# Altium PCB PCBV1.PcbDoc (part 1 of 3)
Units mil, origin at the board's own origin, x right, y up, seen from the top; angles counter-clockwise.
Board outline 2559.06 x 3267.72 mil, 4 copper layers (SIGNAL1, GND, PWR, SIGNAL2), stack 62.449 mil thick; 118 components, 101 nets, 494 pads, 222 vias.
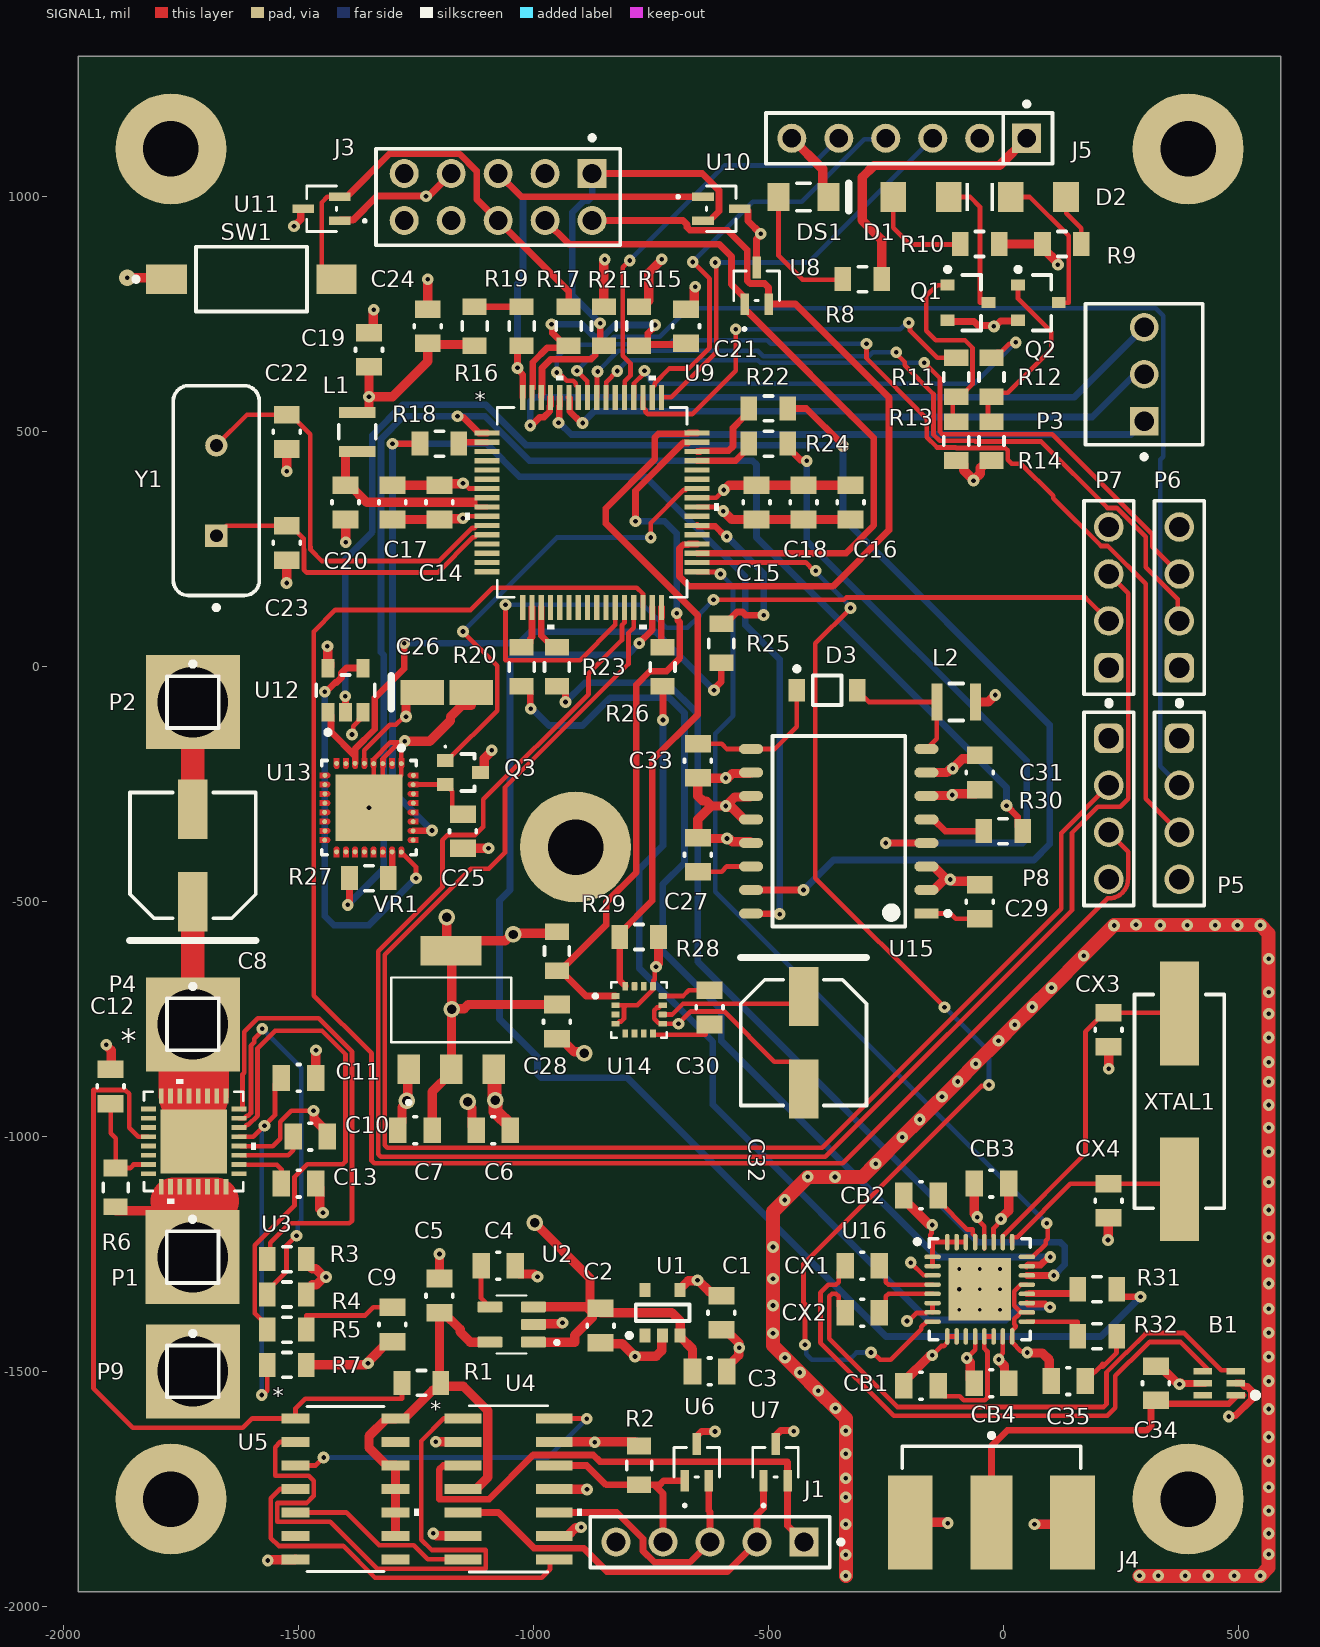
[diagram p0: SIGNAL1 view]
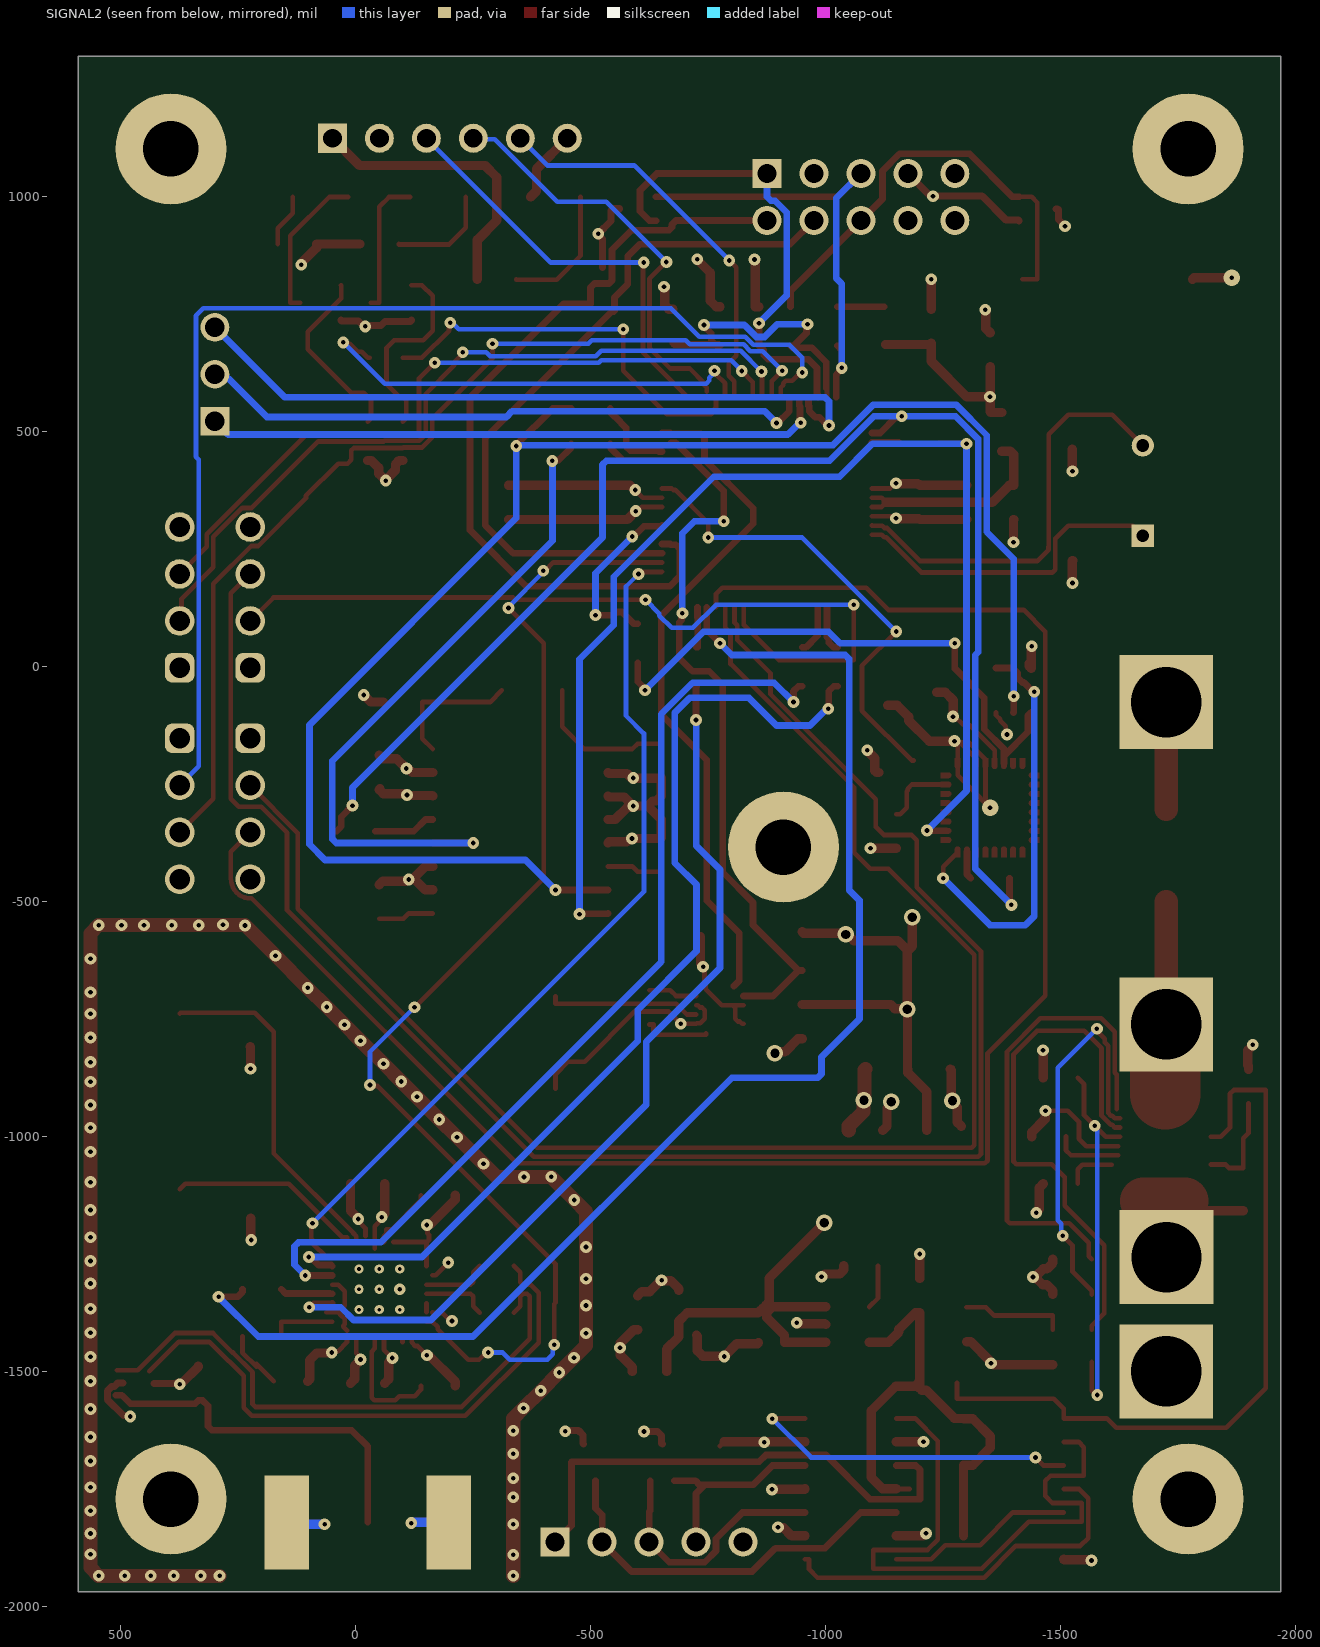
[diagram p1: SIGNAL2 view, seen from below]
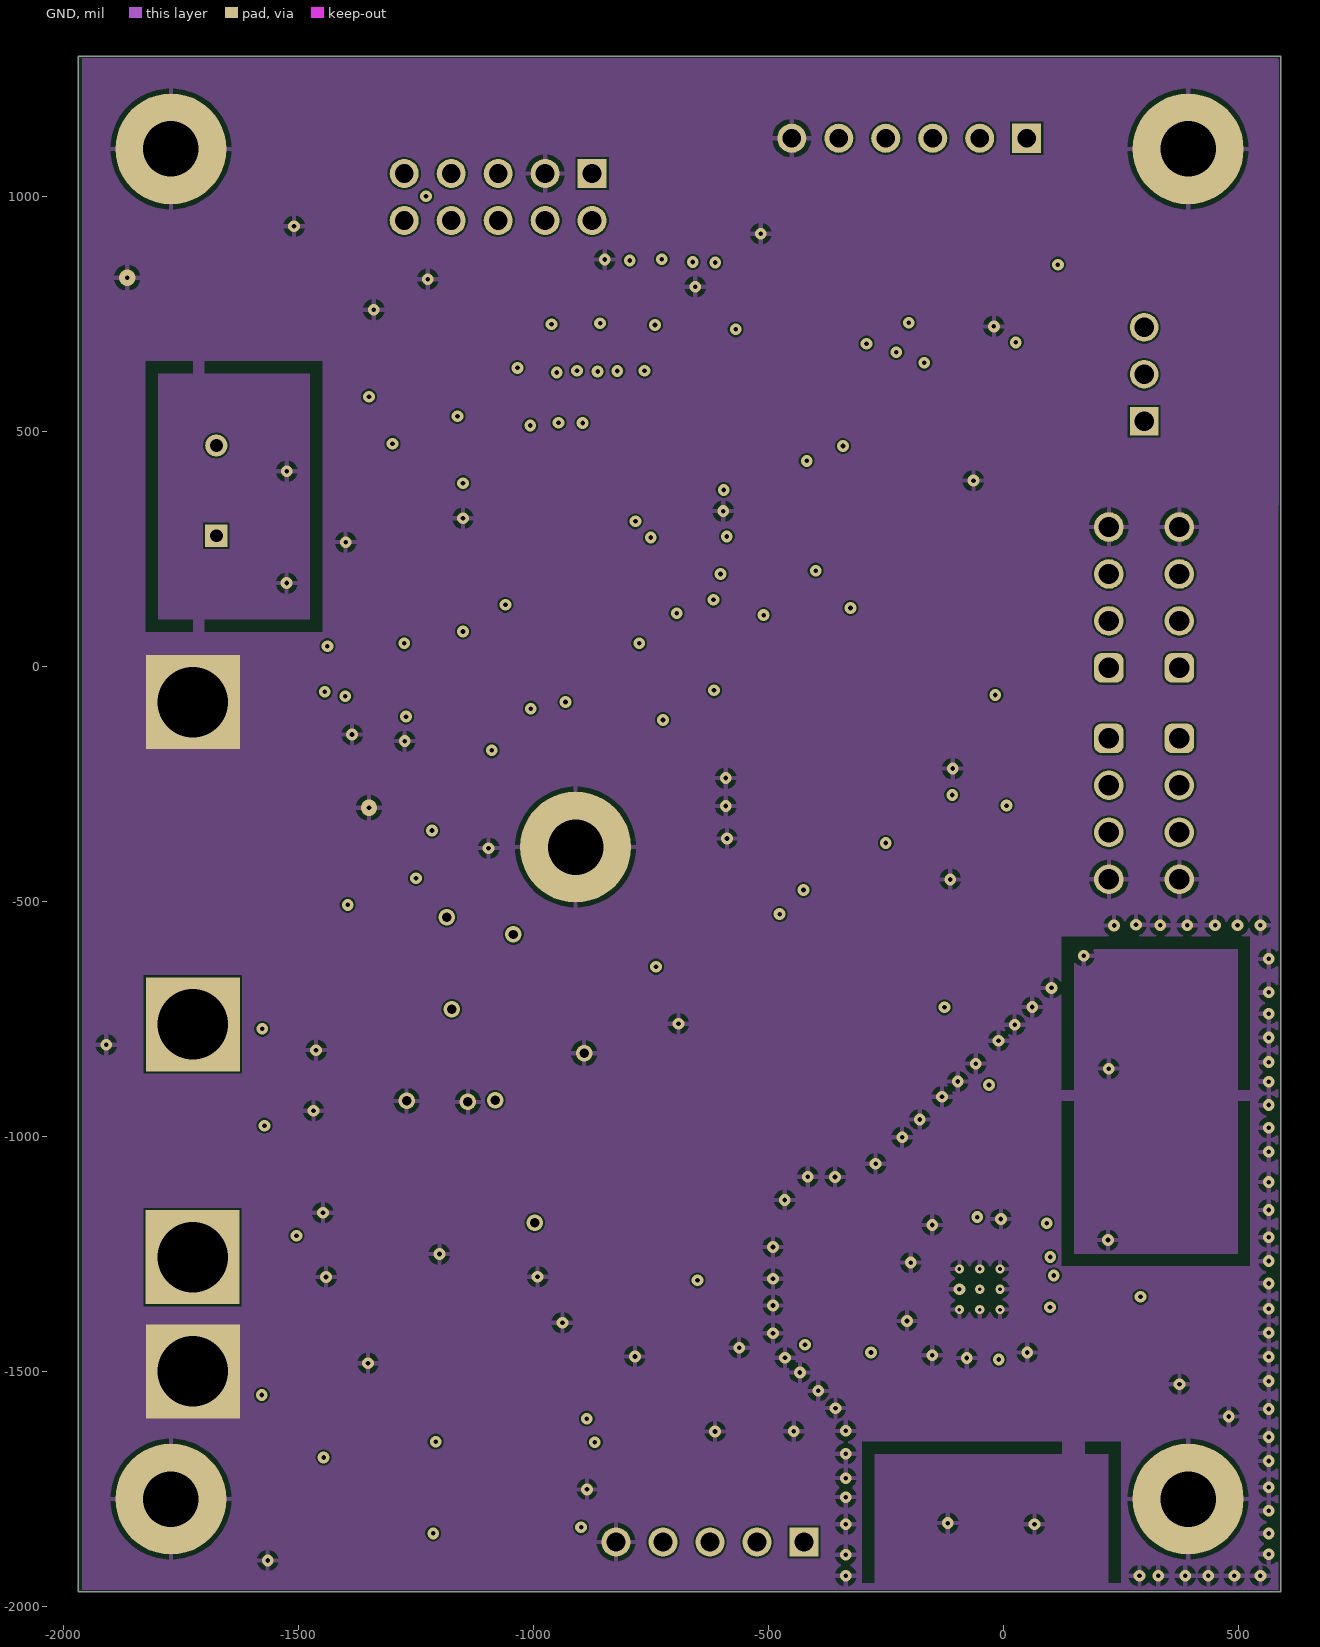
[diagram p2: GND]
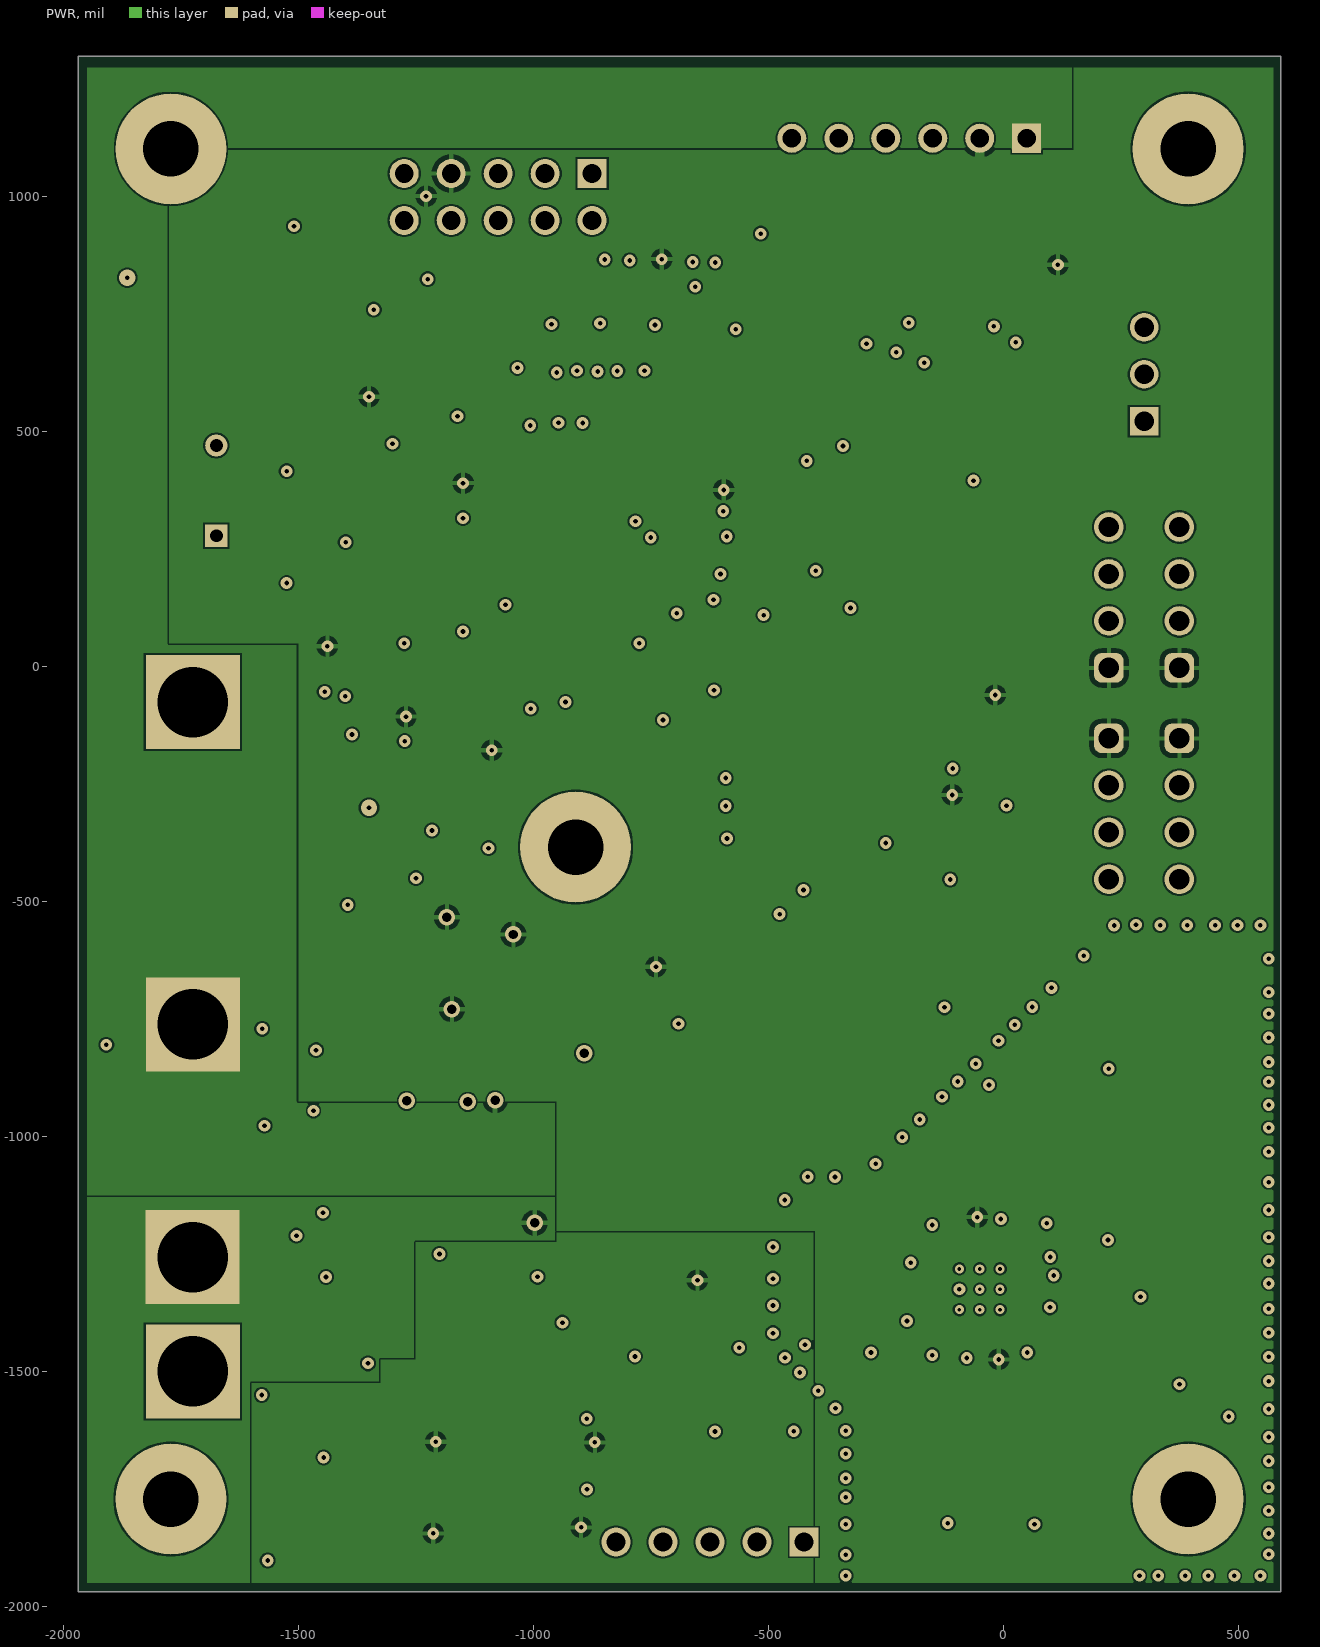
[diagram p3: PWR]
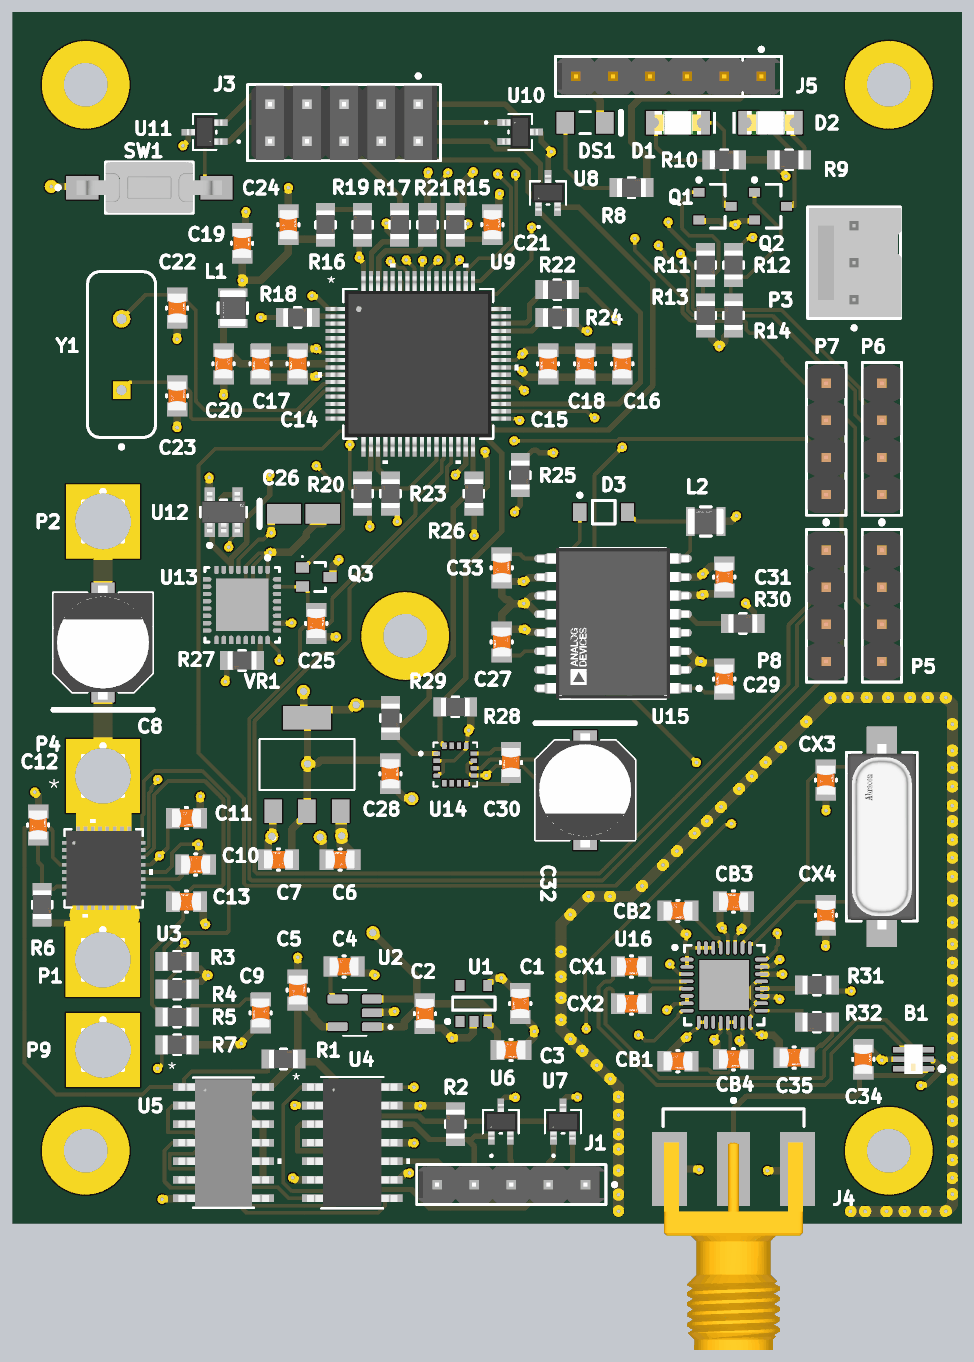
[diagram p6: 3D render of the assembled board from above, using the file's embedded part models]

## Layer stack, top to bottom
Top Solder: solder mask 0.4, Solder Resist, Dk 3.5
SIGNAL1: signal copper 1.378
Dielectric 2: prepreg 8.284, PP-023, Dk 4.5
GND: signal copper 0.598
Dielectric 1: dielectric 41.929, FR-4, Dk 4.8
PWR: signal copper 0.598
Dielectric 3: prepreg 8.284, PP-023, Dk 4.5
SIGNAL2: signal copper 1.378
Bottom Solder: solder mask 0.4, Solder Resist, Dk 3.5

## Board outline
-1968.5,-1968.5 -1968.5,1299.21 590.55,1299.21 590.55,-1968.5

## Design rules (kind name [scope] priority, off if disabled: settings)
AssemblyTestPointUsage [All] p1: isadvanced=TRUE
AssemblyTestpoint [All] p1: isadvanced=TRUE testpointundercomponent=TRUE minsize=40 maxsize=100 preferedsize=60 minholesize=0 maxholesize=40 preferedholesize=32 testpointgrid=1 usegrid=TRUE gridtolerance=0.01 allowsidetop=TRUE allowsidebottom=TRUE
Clearance Clearance_1 [(ExistsOnLayer('GND') Or ExistsOnLayer('PWR')) vs (ExistsOnLayer('GND') Or ExistsOnLayer('PWR'))] p1: gap=4 ignorepadtopadclearanceinfootprint=FALSE except(5: Arc-Via Track-Via SMDPad-Via THPad-Via Via-Via Via-Text; 10: Arc-Hole Track-Hole SMDPad-Hole THPad-Hole Via-Hole Fill-Hole Poly-Hole Region-Hole Text-Hole) sourcerule=114 cellrowname=All cellrowtype=0 cellcolname=All cellcoltype=0 innerlayers=TRUE
Clearance Clearance_2 [(ExistsOnLayer('SIGNAL1') Or ExistsOnLayer('SIGNAL2')) vs (ExistsOnLayer('SIGNAL1') Or ExistsOnLayer('SIGNAL2'))] p2: gap=4 ignorepadtopadclearanceinfootprint=FALSE except(5: Arc-Via Track-Via SMDPad-Via THPad-Via Via-Via Via-Text; 10: Arc-Hole Track-Hole SMDPad-Hole THPad-Hole Via-Hole Fill-Hole Poly-Hole Region-Hole Text-Hole) sourcerule=114 cellrowname=All cellrowtype=0 cellcolname=All cellcoltype=0 outerlayers=TRUE
Clearance [All] p3: gap=10 ignorepadtopadclearanceinfootprint=FALSE ismatrix=TRUE
ComponentClearance [All] p1: isadvanced=TRUE gap=10 collisioncheckmode=3 verticalgap=10 showdistances=FALSE
DiffPairsRouting DifferentialPairsRouting_1 [InDifferentialPairClass('All Differential Pairs')] p1: maxlimit=10 minlimit=8.91 mostfreqgap=10 toplayer_maxgap=8.91 toplayer_prefgap=8.91 toplayer_minwidth=10 toplayer_maxwidth=10 toplayer_prefwidth=10 bottomlayer_maxgap=8.91 bottomlayer_prefgap=8.91 bottomlayer_minwidth=10 bottomlayer_maxwidth=10 bottomlayer_prefwidth=10 impedanceprofiledriven=TRUE impedanceprofileid={A73C127E-F9CA-43C4-AA9D-8A24690832F0} impedanceprofilevalue=100.000000 maxuncoupledlength=500
DiffPairsRouting [All] p2 off: maxlimit=10 minlimit=10 mostfreqgap=10 toplayer_minwidth=15 toplayer_maxwidth=15 toplayer_prefwidth=15 midlayer1_minwidth=15 midlayer1_maxwidth=15 midlayer1_prefwidth=15 midlayer2_minwidth=15 midlayer2_maxwidth=15 midlayer2_prefwidth=15 bottomlayer_minwidth=15 bottomlayer_maxwidth=15 bottomlayer_prefwidth=15 maxuncoupledlength=500
FabricationTestPointUsage [All] p1: isadvanced=TRUE valid=0 allowmultiple=FALSE
FabricationTestpoint [All] p1: isadvanced=TRUE side=3 testpointundercomponent=TRUE minsize=40 maxsize=100 preferedsize=60 minholesize=0 maxholesize=40 preferedholesize=32 testpointgrid=1 allowsidetop=TRUE allowsidebottom=TRUE usegrid=TRUE gridtolerance=0.01
FanoutControl Fanout_BGA [IsBGA] p1: isadvanced=TRUE bgadir=Out bgaviamode=Centered fanoutstyle=Auto fanoutdirection=Alternating viagrid=1 // Fanout_BGA (Default Rule)
FanoutControl Fanout_LCC [IsLCC] p2: isadvanced=TRUE bgadir=Out bgaviamode=Centered fanoutstyle=Auto fanoutdirection=Alternating viagrid=1 // Fanout_LCC (Default Rule)
FanoutControl Fanout_SOIC [IsSOIC] p3: isadvanced=TRUE bgadir=Out bgaviamode=Centered fanoutstyle=Auto fanoutdirection=Alternating viagrid=1 // Fanout_SOIC (Default Rule)
FanoutControl Fanout_Small [(CompPinCount < 5)] p4: isadvanced=TRUE bgadir=Out bgaviamode=Centered fanoutstyle=Auto fanoutdirection=OutThenIn viagrid=1 // Fanout_Small (Default Rule)
FanoutControl Fanout_Default [All] p5: isadvanced=TRUE bgadir=Out bgaviamode=Centered fanoutstyle=Auto fanoutdirection=Alternating viagrid=1 // Fanout_Default (Default Rule)
Height [All] p1: isadvanced=TRUE minheight=0 maxheight=1000 prefheight=500
HoleSize [All] p1: isadvanced=TRUE absolutevalues=TRUE maxlimit=100 minlimit=1 maxpercent=80.000 minpercent=20.000
HoleToHoleClearance [All] p1: isadvanced=TRUE gap=10 allowstackedmicrovias=TRUE
LayerPairs [All] p1: isadvanced=TRUE enforce=TRUE
Length MaxMinLength_1 [InNet('I2C_HREQ')] p1: maxlimit=100000 minlimit=0
MaxMinImpedance MaxMinImpedance_1 [InNet('I2C_HREQ')] p1: minimum=50.00 maximum=50.00
MaxMinImpedance MaxMinImpedance_2 [InNet('I2C_SCL')] p2: minimum=50.00 maximum=50.00
MaxMinImpedance MaxMinImpedance_3 [InNet('I2C_SDA')] p3: minimum=50.00 maximum=50.00
MaxMinImpedance MaxMinImpedance_4 [InNet('I2C_SCL_MAG')] p4: minimum=50.00 maximum=50.00
MaxMinImpedance MaxMinImpedance_5 [InNet('I2C_SDA_MAG')] p5: minimum=50.00 maximum=50.00
MaxMinImpedance MaxMinImpedance_6 [InNet('MISO_2')] p6: minimum=50.00 maximum=50.00
MaxMinImpedance MaxMinImpedance_7 [InNet('MISO_RF')] p7: minimum=50.00 maximum=50.00
MaxMinImpedance MaxMinImpedance_8 [InNet('MOSI_2')] p8: minimum=50.00 maximum=50.00
MaxMinImpedance MaxMinImpedance_9 [InNet('MOSI_RF')] p9: minimum=50.00 maximum=50.00
MaxMinImpedance MaxMinImpedance_10 [InNet('SCLK_2')] p10: minimum=50.00 maximum=50.00
MaxMinImpedance MaxMinImpedance_11 [InNet('SCLK_RF')] p11: minimum=50.00 maximum=50.00
MaxMinImpedance MaxMinImpedance_12 [InNet('SEL3')] p12: minimum=50.00 maximum=50.00
MaxMinImpedance MaxMinImpedance_13 [InNet('SEL_RF')] p13: minimum=50.00 maximum=50.00
MaxMinImpedance MaxMinImpedance_14 [InNet('SWD_CLK')] p14: minimum=50.00 maximum=50.00
MaxMinImpedance MaxMinImpedance_15 [InNet('SWD_DIO')] p15: minimum=50.00 maximum=50.00
MaxMinImpedance MaxMinImpedance_16 [InNet('UART_RX')] p16: minimum=50.00 maximum=50.00
MaxMinImpedance MaxMinImpedance_17 [InNet('UART_TX')] p17: minimum=50.00 maximum=50.00
MaxMinImpedance MaxMinImpedance_18 [InNet('BALLUN_100')] p18: minimum=100.0 maximum=100.0
MaxMinImpedance MaxMinImpedance_19 [InNet('RF_N')] p19: minimum=50.00 maximum=50.00
MaxMinImpedance MaxMinImpedance_20 [InNet('RF_P')] p20: minimum=50.00 maximum=50.00
MaxMinImpedance MaxMinImpedance_21 [InNet('SEL2')] p21: minimum=50.00 maximum=50.00
MinimumSolderMaskSliver [All] p1: isadvanced=TRUE minsoldermaskwidth=10
NetAntennae [All] p1: isadvanced=TRUE netantennaetolerance=0
PasteMaskExpansion [All] p1: isadvanced=TRUE expansion=0
PlaneClearance [All] p1: isadvanced=TRUE clearance=30
PlaneConnect [All] p1: isadvanced=TRUE planeconnectstyle=Relief reliefexpansion=20 reliefentries=4 reliefconductorwidth=10 reliefairgap=10
PolygonConnect [All] p1: connectstyle=Relief reliefconductorwidth=10 reliefentries=4 polygonreliefangle="90 Angle" airgapwidth=10
RoutingCorners [All] p1: isadvanced=TRUE cornerstyle=45-Degree minsetback=100 maxsetback=100
RoutingLayers RoutingLayers_1 [InNet('+3V3')] p1: top layer_v5=FALSE mid layer 1_v5=FALSE mid layer 2_v5=FALSE bottom layer_v5=FALSE
RoutingLayers RoutingLayers_2 [InNet('+3V3_REF')] p2: top layer_v5=FALSE mid layer 1_v5=FALSE mid layer 2_v5=FALSE bottom layer_v5=FALSE
RoutingLayers RoutingLayers_3 [InNet('+3V3_A')] p3: top layer_v5=FALSE mid layer 1_v5=FALSE mid layer 2_v5=FALSE bottom layer_v5=FALSE
RoutingLayers RoutingLayers_4 [InNet('+5')] p4: top layer_v5=FALSE mid layer 1_v5=FALSE mid layer 2_v5=FALSE bottom layer_v5=FALSE
RoutingLayers RoutingLayers_5 [InNet('+12')] p5: top layer_v5=FALSE mid layer 1_v5=FALSE mid layer 2_v5=FALSE bottom layer_v5=FALSE
RoutingLayers RoutingLayers_6 [InNet('+12_PROT')] p6: top layer_v5=FALSE mid layer 1_v5=FALSE mid layer 2_v5=FALSE bottom layer_v5=FALSE
RoutingLayers RoutingLayers_7 [InNet('GND')] p7: top layer_v5=FALSE mid layer 1_v5=FALSE mid layer 2_v5=FALSE bottom layer_v5=FALSE
RoutingLayers [All] p8: top layer_v5=TRUE mid layer 1_v5=FALSE mid layer 2_v5=FALSE bottom layer_v5=TRUE
RoutingPriority [All] p1: isadvanced=TRUE routingpriority=0
RoutingTopology RoutingTopology_1 [InNet('I2C_HREQ')] p1: topology=Shortest
RoutingTopology [All] p2: topology=Shortest
RoutingVias RoutingViaStyle_8 [All] p1: isadvanced=TRUE holewidth=10 width=25 viastyle="Through Hole" minholewidth=10 minwidth=20 maxholewidth=30 maxwidth=40
RoutingVias [All] p2 off: holewidth=10 width=25 viastyle="Through Hole" minholewidth=10 minwidth=25 maxholewidth=10 maxwidth=25
SMDNeckDown [All  -  U3] p1: isadvanced=TRUE percent=100.000
ShortCircuit [All] p1: isadvanced=TRUE allowed=FALSE
SilkToSilkClearance [All] p1: isadvanced=TRUE silktosilkclearance=10
SilkToSolderMaskClearance [IsPad] p1: isadvanced=TRUE minsilkscreentomaskgap=10 clearancetoexposedcopper=TRUE
SolderMaskExpansion [All] p1: isadvanced=TRUE expansion=4 istentingtop=FALSE
SupplyNets "Schematic Supply Nets_4" [InNet('+5')] p1: isadvanced=TRUE voltage=5.000
SupplyNets "Schematic Supply Nets_7" [InNet('+3V3_A')] p2: isadvanced=TRUE voltage=3.300
SupplyNets "Schematic Supply Nets_5" [InNet('+12')] p3: isadvanced=TRUE voltage=12.00
SupplyNets "Schematic Supply Nets_3" [InNet('GND')] p4: isadvanced=TRUE voltage=0.000
SupplyNets "Schematic Supply Nets_2" [InNet('+3V3_REF')] p5: isadvanced=TRUE voltage=3.300
SupplyNets "Schematic Supply Nets_1" [InNet('+3V3')] p6: isadvanced=TRUE voltage=3.300
SupplyNets "Schematic Supply Nets" [InNet('+12_PROT')] p7: isadvanced=TRUE voltage=12.00
UnRoutedNet [All] p1: isadvanced=TRUE
UnpouredPolygon [All] p1: isadvanced=TRUE
Width MaxMinWidth_2 [InNet('+12_PROT')] p1: maxlimit=500 minlimit=4 preferedwidth=10 minimp=50.000000 maximp=50.000000 favimp=50.000000
Width MaxMinWidth_3 [InNet('+12')] p2: maxlimit=500 minlimit=4 preferedwidth=10 minimp=50.000000 maximp=50.000000 favimp=50.000000
Width MaxMinWidth_1 [InNet('BALLUN_100')] p3: maxlimit=20 minlimit=2.17 preferedwidth=14.28 toplayer_minwidth=14.28 toplayer_maxwidth=14.28 bottomlayer_minwidth=14.28 bottomlayer_maxwidth=14.28 impedanceprofiledriven=TRUE impedanceprofileid={00D651F3-DFB4-4C9B-8B94-942D9084C4B3} impedanceprofilevalue=50.000000 minimp=50.000000 maximp=50.000000 favimp=50.000000
Width MaxMinWidth_4 [InNet('CELL_1')] p4: maxlimit=20 minlimit=4 preferedwidth=14.28 toplayer_minwidth=14.28 toplayer_maxwidth=14.28 bottomlayer_minwidth=14.28 bottomlayer_maxwidth=14.28 impedanceprofiledriven=TRUE impedanceprofileid={00D651F3-DFB4-4C9B-8B94-942D9084C4B3} impedanceprofilevalue=50.000000 minimp=50.000000 maximp=50.000000 favimp=50.000000
Width MaxMinWidth_5 [InNet('CELL_2')] p5: maxlimit=20 minlimit=4 preferedwidth=14.28 toplayer_minwidth=14.28 toplayer_maxwidth=14.28 bottomlayer_minwidth=14.28 bottomlayer_maxwidth=14.28 impedanceprofiledriven=TRUE impedanceprofileid={00D651F3-DFB4-4C9B-8B94-942D9084C4B3} impedanceprofilevalue=50.000000 minimp=50.000000 maximp=50.000000 favimp=50.000000
Width MaxMinWidth_6 [InNet('CELL_3')] p6: maxlimit=20 minlimit=4 preferedwidth=14.28 toplayer_minwidth=14.28 toplayer_maxwidth=14.28 bottomlayer_minwidth=14.28 bottomlayer_maxwidth=14.28 impedanceprofiledriven=TRUE impedanceprofileid={00D651F3-DFB4-4C9B-8B94-942D9084C4B3} impedanceprofilevalue=50.000000 minimp=50.000000 maximp=50.000000 favimp=50.000000
Width MaxMinWidth_7 [InNet('GND')] p7: maxlimit=100 minlimit=4 preferedwidth=10 minimp=50.000000 maximp=50.000000 favimp=50.000000
Width MaxMinWidth_8 [InNet('CELL_4')] p8: maxlimit=20 minlimit=4 preferedwidth=14.28 toplayer_minwidth=14.28 toplayer_maxwidth=14.28 bottomlayer_minwidth=14.28 bottomlayer_maxwidth=14.28 impedanceprofiledriven=TRUE impedanceprofileid={00D651F3-DFB4-4C9B-8B94-942D9084C4B3} impedanceprofilevalue=50.000000 minimp=50.000000 maximp=50.000000 favimp=50.000000
Width MaxMinWidth_9 [InNet('I2C_HREQ')] p9: maxlimit=20 minlimit=4 preferedwidth=14.28 toplayer_minwidth=14.28 toplayer_maxwidth=14.28 bottomlayer_minwidth=14.28 bottomlayer_maxwidth=14.28 impedanceprofiledriven=TRUE impedanceprofileid={00D651F3-DFB4-4C9B-8B94-942D9084C4B3} impedanceprofilevalue=50.000000 minimp=50.000000 maximp=50.000000 favimp=50.000000
Width MaxMinWidth_10 [InNet('I2C_SCL')] p10: maxlimit=20 minlimit=4 preferedwidth=14.28 toplayer_minwidth=14.28 toplayer_maxwidth=14.28 bottomlayer_minwidth=14.28 bottomlayer_maxwidth=14.28 impedanceprofiledriven=TRUE impedanceprofileid={00D651F3-DFB4-4C9B-8B94-942D9084C4B3} impedanceprofilevalue=50.000000 minimp=50.000000 maximp=50.000000 favimp=50.000000
Width MaxMinWidth_11 [InNet('I2C_SCL_MAG')] p11: maxlimit=20 minlimit=4 preferedwidth=14.28 toplayer_minwidth=14.28 toplayer_maxwidth=14.28 bottomlayer_minwidth=14.28 bottomlayer_maxwidth=14.28 impedanceprofiledriven=TRUE impedanceprofileid={00D651F3-DFB4-4C9B-8B94-942D9084C4B3} impedanceprofilevalue=50.000000 minimp=50.000000 maximp=50.000000 favimp=50.000000